# Altium PCB Audio_Blade_Mic_Array.PcbDoc (part 3 of 4)
Units mil, origin at the board's own origin, x right, y up, seen from the top; angles counter-clockwise.
Board outline 3740.16 x 3740.16 mil, 6 copper layers (Top Layer, Layer 2, Layer 3, Layer 4, Layer 5, Bottom Layer), stack 63.312 mil thick; 192 components, 134 nets, 726 pads, 1409 vias.
Unrouted connection lines stored in the file: 35.
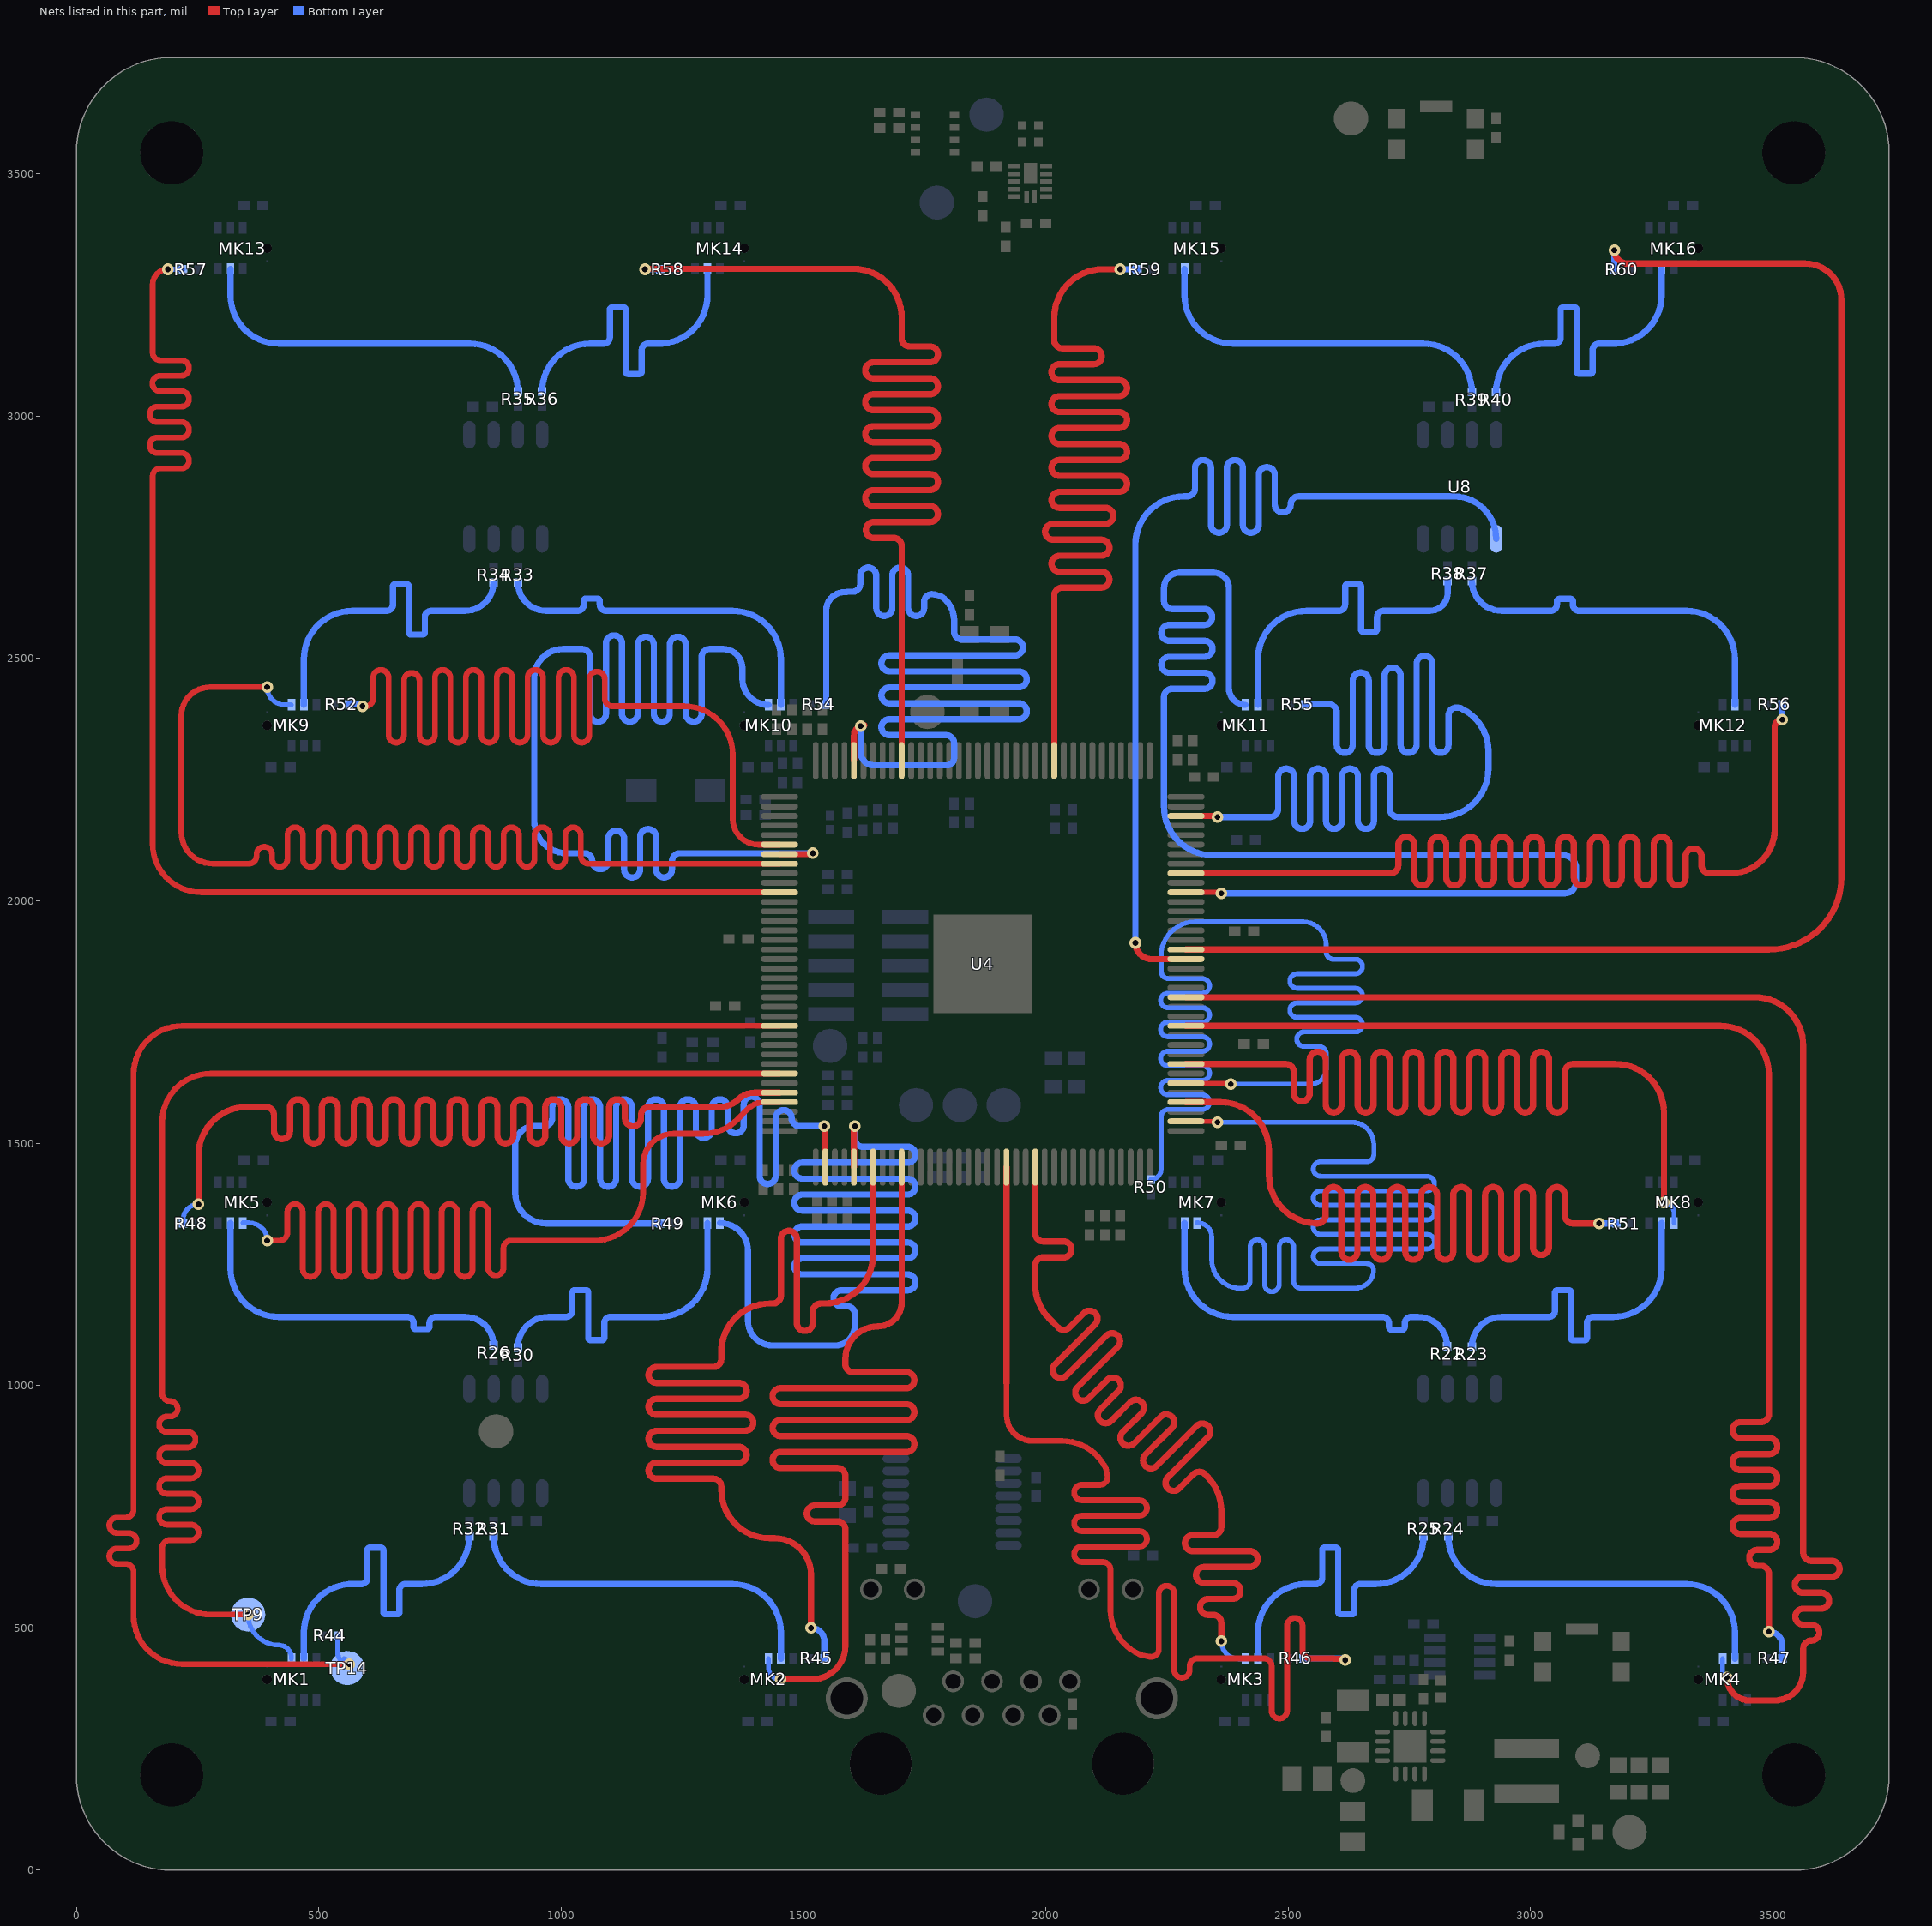
[diagram p7: the nets of this part, all layers, seen from the top]

## Via types
v1: diameter 24, hole 12, Top Layer to Bottom Layer, tented both sides, 1405 vias
v2: diameter 23.62, hole 15.75, Top Layer to Bottom Layer, tented both sides, 3 vias
v3: diameter 24, hole 12, Top Layer to Bottom Layer, 1 vias

## Nets (pads, with @x,y where several pads share a name; then routed paths per layer and width w, separated by ;. In a path a pad name is that pad's centre, name@x,y a point inside that pad or via, vN(x,y) a via of type N, cw(c..) or ccw(c..) an arc to the next point about the centre after c; other vN are vias at no path point) (continued)
MIC_CLK_4: U4.91 U8.1 | length 2483.9
  Top Layer w12.92: v1(2185.04,1913.39) ccw(c2218.5,1913.39) 2218.5,1879.92 U4.91@2289.37,1879.92
  Bottom Layer w12.92: v1(2185.04,1913.39) 2185.04,2734.65 cw(c2285.04,2734.65) 2285.04,2834.65 2291.5,2834.65 ccw(c2291.5,2851.11) 2307.96,2851.11 2307.96,2893.18 cw(c2324.42,2893.18) 2340.88,2893.18 2340.88,2776.11 ccw(c2357.34,2776.11) 2373.81,2776.11 2373.81,2893.18 cw(c2390.27,2893.18) 2406.73,2893.18 2406.73,2776.11 ccw(c2423.19,2776.11) 2439.65,2776.11 2439.65,2878.63 cw(c2456.11,2878.63) 2472.57,2878.63 2472.57,2818.18 ccw(c2489.03,2818.18) 2505.49,2818.18 cw(c2521.95,2818.18) 2521.95,2834.65 2551.84,2834.65 2841.73,2834.65 cw(c2841.73,2747.05) U8.1@2929.33,2747.05
MIC_SCK_1: MK1.6 R32.1 | length 764.6
  Bottom Layer w12.92: MK1.6@469.49,436.02 469.49,490.55 cw(c569.49,490.55) 562.99,590.34 cw(c569.49,490.55) 569.49,590.55 581.29,590.55 587.75,590.55 ccw(c587.75,603.47) 600.67,603.47 600.67,660.61 cw(c605.61,660.61) 605.61,665.55 628.66,665.55 cw(c628.66,660.61) 633.6,660.61 633.6,532.98 ccw(c638.53,532.98) 638.53,528.04 661.58,528.04 ccw(c661.58,532.98) 666.52,532.98 666.52,577.63 cw(c679.44,577.63) 679.44,590.55 712.4,590.55 ccw(c712.4,688.98) R32.1@810.83,688.98
MIC_SCK_2: MK2.6 R31.1 | length 760.7
  Bottom Layer w12.92: R31.1@860.83,688.98 ccw(c959.25,688.98) 959.25,590.55 1353.74,590.55 cw(c1353.74,490.55) 1453.74,490.55 MK2.6@1453.74,436.02
MIC_SCK_3: MK3.6 R25.1 | length 764.6
  Bottom Layer w12.92: MK3.6@2437.99,436.02 2437.99,490.55 cw(c2537.99,490.55) 2507.87,585.91 cw(c2537.99,490.55) 2531.5,590.34 cw(c2537.99,490.55) 2537.99,590.55 2551.18,590.55 2557.64,590.55 ccw(c2557.64,603.47) 2570.56,603.47 2570.56,660.61 cw(c2575.5,660.61) 2575.5,665.55 2598.55,665.55 cw(c2598.55,660.61) 2603.49,660.61 2603.49,533.07 ccw(c2608.42,533.07) 2608.42,528.14 2631.47,528.14 ccw(c2631.47,533.07) 2636.41,533.07 2636.41,577.63 cw(c2649.33,577.63) 2649.33,590.55 2681.1,590.55 ccw(c2681.1,688.98) R25.1@2779.53,688.98
MIC_SCK_4: MK4.6 R24.1 | length 759.3
  Bottom Layer w12.92: R24.1@2830.71,688.98 ccw(c2929.13,688.98) 2929.13,590.55 3322.24,590.55 cw(c3322.24,490.55) 3422.24,490.55 MK4.6@3422.24,436.02
MIC_SCK_5: MK5.6 R26.1 | length 763
  Bottom Layer w12.92: MK5.6@317.91,1335.63 317.91,1241.73 ccw(c417.91,1241.73) 417.91,1141.73 641.73,1141.73 682.8,1141.73 cw(c682.8,1128.81) 695.73,1128.81 695.73,1121.28 ccw(c700.66,1121.28) 700.66,1116.35 723.71,1116.35 ccw(c723.71,1121.28) 728.65,1121.28 728.65,1128.81 cw(c741.57,1128.81) 741.57,1141.73 748.03,1141.73 801.77,1141.73 cw(c801.77,1082.68) R26.1@860.83,1082.68
MIC_SCK_6: MK6.6 R30.1 | length 764.6
  Bottom Layer w12.92: R30.1@910.83,1078.74 cw(c973.82,1078.74) 973.82,1141.73 1003.94,1141.73 1010.4,1141.73 ccw(c1010.4,1154.65) 1023.32,1154.65 1023.32,1191.79 cw(c1028.26,1191.79) 1028.26,1196.73 1051.3,1196.73 cw(c1051.3,1191.79) 1056.24,1191.79 1056.24,1098.73 ccw(c1061.18,1098.73) 1061.18,1093.79 1084.23,1093.79 ccw(c1084.23,1098.73) 1089.16,1098.73 1089.16,1128.81 cw(c1102.09,1128.81) 1102.09,1141.73 1137.8,1141.73 1202.17,1141.73 ccw(c1202.17,1241.73) 1302.17,1241.73 MK6.6@1302.17,1335.63
MIC_SCK_7: MK7.6 R22.1 | length 764.1
  Bottom Layer w12.92: MK7.6@2286.42,1335.63 2286.42,1241.73 ccw(c2386.42,1241.73) 2386.42,1141.73 2650.24,1141.73 2695.25,1141.73 cw(c2695.25,1128.81) 2708.17,1128.81 2708.17,1122.37 ccw(c2716.4,1122.37) 2716.4,1114.14 2732.86,1114.14 ccw(c2732.86,1122.37) 2741.09,1122.37 2741.09,1128.81 cw(c2754.01,1128.81) 2754.01,1141.73 2760.47,1141.73 2767.72,1141.73 cw(c2767.72,1081.4) R22.1@2828.05,1081.4
MIC_SCK_8: MK8.6 R23.1 | length 764.6
  Bottom Layer w12.92: R23.1@2879.33,1080.12 cw(c2940.94,1080.12) 2940.94,1141.73 3031.5,1141.73 3037.96,1141.73 ccw(c3037.96,1154.65) 3050.88,1154.65 3050.88,1191.79 cw(c3055.82,1191.79) 3055.82,1196.73 3078.86,1196.73 cw(c3078.86,1191.79) 3083.8,1191.79 3083.8,1098.34 ccw(c3088.74,1098.34) 3088.74,1093.4 3111.79,1093.4 ccw(c3111.79,1098.34) 3116.72,1098.34 3116.72,1128.81 cw(c3129.65,1128.81) 3129.65,1141.73 3170.67,1141.73 ccw(c3170.67,1241.73) 3270.67,1241.73 MK8.6@3270.67,1335.63
MIC_SCK_9: MK9.6 R34.1 | length 764.6
  Bottom Layer w12.92: MK9.6@469.49,2404.53 469.49,2498.43 cw(c569.49,2498.43) 569.49,2598.43 633.86,2598.43 640.32,2598.43 ccw(c640.32,2611.35) 653.24,2611.35 653.24,2648.49 cw(c658.18,2648.49) 658.18,2653.43 681.23,2653.43 cw(c681.23,2648.49) 686.16,2648.49 686.16,2554.3 ccw(c691.1,2554.3) 691.1,2549.36 714.15,2549.36 ccw(c714.15,2554.3) 719.09,2554.3 719.09,2585.5 cw(c732.01,2585.5) 732.01,2598.43 767.72,2598.43 801.77,2598.43 ccw(c801.77,2657.48) R34.1@860.83,2657.48
MIC_SCK_10: MK10.6 R33.1 | length 763
  Bottom Layer w12.92: R33.1@910.83,2657.48 ccw(c969.88,2657.48) 969.88,2598.43 1027.56,2598.43 1034.02,2598.43 ccw(c1034.02,2611.35) 1046.94,2611.35 1046.94,2618.87 cw(c1051.88,2618.87) 1051.88,2623.81 1074.93,2623.81 cw(c1074.93,2618.87) 1079.86,2618.87 1079.86,2611.35 ccw(c1092.79,2611.35) 1092.79,2598.43 1137.8,2598.43 1353.74,2598.43 cw(c1353.74,2498.43) 1453.74,2498.43 MK10.6@1453.74,2404.53
MIC_SCK_11: MK11.6 R38.1 | length 764.6
  Bottom Layer w12.92: MK11.6@2437.99,2404.53 2437.99,2498.43 cw(c2537.99,2498.43) 2537.99,2598.43 2598.43,2598.43 2604.89,2598.43 ccw(c2604.89,2611.35) 2617.81,2611.35 2617.81,2648.49 cw(c2622.75,2648.49) 2622.75,2653.43 2645.79,2653.43 cw(c2645.79,2648.49) 2650.73,2648.49 2650.73,2560.28 ccw(c2655.67,2560.28) 2655.67,2555.34 2678.71,2555.34 ccw(c2678.71,2560.28) 2683.65,2560.28 2683.65,2585.5 cw(c2696.57,2585.5) 2696.57,2598.43 2724.41,2598.43 2792.18,2598.43 ccw(c2792.18,2635.58) 2829.33,2635.58 R38.1@2829.33,2660.04
MIC_SCK_12: MK12.6 R37.1 | length 763
  Bottom Layer w12.92: R37.1@2879.33,2660.04 ccw(c2940.94,2660.04) 2940.94,2598.43 3035.43,2598.43 3041.89,2598.43 ccw(c3041.89,2611.35) 3054.82,2611.35 3054.82,2618.14 cw(c3059.75,2618.14) 3059.75,2623.08 3082.8,2623.08 cw(c3082.8,2618.14) 3087.74,2618.14 3087.74,2611.35 ccw(c3100.66,2611.35) 3100.66,2598.43 3153.54,2598.43 3322.24,2598.43 cw(c3322.24,2498.43) 3422.24,2498.43 MK12.6@3422.24,2404.53
MIC_SCK_13: MK13.6 R35.1 | length 760.7
  Bottom Layer w12.92: MK13.6@317.91,3304.13 317.91,3249.61 ccw(c417.91,3249.61) 417.91,3149.61 812.4,3149.61 cw(c812.4,3051.18) R35.1@910.83,3051.18
MIC_SCK_14: MK14.6 R36.1 | length 764.6
  Bottom Layer w12.92: R36.1@960.83,3051.18 cw(c1059.25,3051.18) 1059.25,3149.61 1081.26,3149.61 1087.72,3149.61 ccw(c1087.72,3162.53) 1100.65,3162.53 1100.65,3219.67 cw(c1105.58,3219.67) 1105.58,3224.61 1128.63,3224.61 cw(c1128.63,3219.67) 1133.57,3219.67 1133.57,3092.03 ccw(c1138.51,3092.03) 1138.51,3087.09 1161.55,3087.09 ccw(c1161.55,3092.03) 1166.49,3092.03 1166.49,3136.68 cw(c1179.41,3136.68) 1179.41,3149.61 1202.17,3149.61 ccw(c1202.17,3249.61) 1208.66,3149.82 ccw(c1202.17,3249.61) 1302.17,3249.61 MK14.6@1302.17,3304.13
MIC_SCK_15: MK15.6 R39.1 | length 761.5
  Bottom Layer w12.92: MK15.6@2286.42,3304.13 2286.42,3249.61 ccw(c2386.42,3249.61) 2386.42,3149.61 2779.53,3149.61 cw(c2779.53,3049.8) R39.1@2879.33,3049.8
MIC_SCK_16: MK16.6 R40.1 | length 764.6
  Bottom Layer w12.92: R40.1@2929.13,3049.8 cw(c3028.94,3049.8) 3028.94,3149.61 3043.31,3149.61 3049.77,3149.61 ccw(c3049.77,3162.53) 3062.69,3162.53 3062.69,3219.67 cw(c3067.63,3219.67) 3067.63,3224.61 3090.67,3224.61 cw(c3090.67,3219.67) 3095.61,3219.67 3095.61,3092.52 ccw(c3100.55,3092.52) 3100.55,3087.59 3123.6,3087.59 ccw(c3123.6,3092.52) 3128.53,3092.52 3128.53,3136.68 cw(c3141.46,3136.68) 3141.46,3149.61 3170.67,3149.61 ccw(c3170.67,3249.61) 3177.17,3149.82 ccw(c3170.67,3249.61) 3270.67,3249.61 MK16.6@3270.67,3304.13
MIC_SD_1: R44.1 TP14.1 U4.25 | length 3256.1
  Top Layer w11.85: v1(562.99,425.2) 218.11,425.2 cw(c218.11,525.2) 118.11,525.2 118.11,610.24 118.11,616.16 ccw(c102.18,616.16) 102.18,632.09 84.04,632.09 cw(c84.04,648.02) 84.04,663.94 108.47,663.94 ccw(c108.47,679.87) 108.47,695.8 84.04,695.8 cw(c84.04,711.73) 84.04,727.65 102.18,727.65 ccw(c102.18,743.58) 118.11,743.58 118.11,818.9 118.11,1642.13 cw(c218.11,1642.13) 218.11,1742.13 U4.25@1450.79,1742.13
  Bottom Layer w10: R44.1@539.37,484.25 539.37,448.82 ccw(c562.99,448.82) v1(562.99,425.2) ccw(c552.17,425.2) TP14.1@552.17,436.02
MIC_SD_2: R45.1 U4.43 | length 3167
  Top Layer w12.92: v1(1515.75,500) 1515.75,610.24 ccw(c1440.94,610.24) 1440.94,685.04 1430.71,685.04 cw(c1430.71,785.04) 1330.71,785.04 1330.71,791.5 ccw(c1314.25,791.5) 1314.25,807.96 1197.17,807.96 cw(c1197.17,824.42) 1197.17,840.88 1366.78,840.88 ccw(c1366.78,857.34) 1366.78,873.81 1197.17,873.81 cw(c1197.17,890.27) 1197.17,906.73 1380.39,906.73 ccw(c1380.39,923.19) 1380.39,939.65 1197.17,939.65 cw(c1197.17,956.11) 1197.17,972.57 1366.78,972.57 ccw(c1366.78,989.03) 1366.78,1005.49 1197.17,1005.49 cw(c1197.17,1021.95) 1197.17,1038.42 1314.25,1038.42 ccw(c1314.25,1054.88) 1330.71,1054.88 1330.71,1069.29 1330.75,1072.28 cw(c1430.71,1069.29) 1331.16,1078.74 cw(c1430.71,1069.29) 1430.71,1169.29 1437.17,1169.29 ccw(c1437.17,1185.75) 1453.63,1185.75 1453.63,1302.83 cw(c1470.09,1302.83) 1486.55,1302.83 1486.55,1129.09 ccw(c1503.01,1129.09) 1519.48,1129.09 1519.48,1152.83 cw(c1535.94,1152.83) 1535.94,1169.29 1543.7,1169.29 1552.59,1169.69 ccw(c1543.7,1269.29) 1559.06,1170.48 ccw(c1543.7,1269.29) 1643.7,1269.29 U4.43@1643.7,1450.79
  Bottom Layer w12.92: v1(1515.75,500) cw(c1515.75,472.44) 1543.31,472.44 R45.1@1543.31,437.01
MIC_SD_3: R46.1 U4.57 | length 3063.8
  Top Layer w11.85: 1919.29,1005.51 1919.29,938.98 ccw(c1972.44,938.98) 1972.44,885.83 2033.86,885.83 cw(c2033.86,785.83) 2121.13,834.65 cw(c2033.86,785.83) 2124.19,828.72 2127.35,814.73 cw(c2111.81,811.22) 2111.81,795.3 2074.79,795.3 ccw(c2074.79,779.37) 2074.79,763.44 2192.93,763.44 cw(c2192.93,747.52) 2192.93,731.59 2074.79,731.59 ccw(c2074.79,715.66) 2074.79,699.74 2192.93,699.74 cw(c2192.93,683.81) 2192.93,667.88 2074.79,667.88 ccw(c2074.79,651.95) 2074.79,636.03 2117.93,636.03 cw(c2117.93,620.1) 2133.86,620.1 2133.86,614.17 2133.86,537.01 ccw(c2233.86,537.01) 2192.91,445.77 ccw(c2233.86,537.01) 2198.84,443.34 2214.57,440.49 ccw(c2217.41,456.17) 2233.34,456.17 2233.34,571.08 cw(c2249.26,571.08) 2265.19,571.08 2265.19,412.91 ccw(c2281.12,412.91) 2297.04,412.91 2297.04,421.08 cw(c2312.97,421.08) 2312.97,437.01 2318.9,437.01 2412.48,437.01 2450.26,437.01 cw(c2450.26,421.08) 2466.19,421.08 2466.19,328.77 ccw(c2482.11,328.77) 2498.04,328.77 2498.04,504.6 cw(c2513.97,504.6) 2529.89,504.6 2529.89,452.93 ccw(c2545.82,452.93) 2545.82,437.01 2594.49,437.01 2595.48,436.02 2615.79,436.02 v1(2618.11,433.69)
  Top Layer w12.92: 1919.29,1005.51 U4.57@1919.29,1450.79
  Bottom Layer w11.85: R46.1@2531.5,437.01 2614.8,437.01 v1(2618.11,433.69)
MIC_SD_4: R47.1 U4.84 | length 3159.1
  Top Layer w12.92: U4.84@2289.37,1742.13 3392.13,1742.13 cw(c3392.13,1642.13) 3492.13,1642.13 3492.13,980.32 3492.13,940.93 cw(c3475.66,940.93) 3475.66,924.47 3433.59,924.47 ccw(c3433.59,908.01) 3433.59,891.55 3493.05,891.55 cw(c3493.05,875.09) 3493.05,858.63 3433.59,858.63 ccw(c3433.59,842.17) 3433.59,825.7 3493.05,825.7 cw(c3493.05,809.24) 3493.05,792.78 3433.59,792.78 ccw(c3433.59,776.32) 3433.59,759.86 3493.05,759.86 cw(c3493.05,743.4) 3493.05,726.94 3433.59,726.94 ccw(c3433.59,710.48) 3433.59,694.02 3492.83,694.02 cw(c3492.83,677.56) 3492.83,661.09 3468.04,661.09 ccw(c3468.04,644.63) 3468.04,628.17 3475.66,628.17 cw(c3475.66,611.71) 3492.13,611.71 3492.13,562.99 v1(3492.13,492.13)
  Bottom Layer w12.92: v1(3492.13,492.13) cw(c3492.13,464.57) 3519.69,464.57 R47.1@3519.69,437.01
MIC_SD_5: R48.1 U4.32 | length 3138.1
  Top Layer w12.92: v1(251.97,1374.02) 251.97,1474.8 cw(c351.97,1474.8) 351.97,1574.8 391.35,1574.8 cw(c391.35,1558.34) 407.81,1558.34 407.81,1525.13 ccw(c424.27,1525.13) 440.73,1525.13 440.73,1573.93 cw(c457.2,1573.93) 473.66,1573.93 473.66,1516.26 ccw(c490.12,1516.26) 506.58,1516.26 506.58,1573.93 cw(c523.04,1573.93) 539.5,1573.93 539.5,1516.26 ccw(c555.96,1516.26) 572.42,1516.26 572.42,1573.93 cw(c588.88,1573.93) 605.35,1573.93 605.35,1516.26 ccw(c621.81,1516.26) 638.27,1516.26 638.27,1573.93 cw(c654.73,1573.93) 671.19,1573.93 671.19,1516.26 ccw(c687.65,1516.26) 704.11,1516.26 704.11,1573.93 cw(c720.57,1573.93) 737.03,1573.93 737.03,1516.26 ccw(c753.49,1516.26) 769.95,1516.26 769.95,1573.93 cw(c786.42,1573.93) 802.88,1573.93 802.88,1516.26 ccw(c819.34,1516.26) 835.8,1516.26 835.8,1573.93 cw(c852.26,1573.93) 868.72,1573.93 868.72,1516.26 ccw(c885.18,1516.26) 901.64,1516.26 901.64,1573.93 cw(c918.1,1573.93) 934.57,1573.93 934.57,1516.26 ccw(c951.03,1516.26) 967.49,1516.26 967.49,1573.93 cw(c983.95,1573.93) 1000.41,1573.93 1000.41,1516.26 ccw(c1016.87,1516.26) 1033.33,1516.26 1033.33,1573.93 cw(c1049.79,1573.93) 1066.25,1573.93 1066.25,1516.26 ccw(c1082.71,1516.26) 1099.17,1516.26 ; 1099.18,1516.26 1099.18,1573.93 cw(c1115.64,1573.93) 1132.1,1573.93 1132.1,1551.25 ccw(c1148.56,1551.25) 1165.02,1551.25 1165.02,1558.34 cw(c1181.48,1558.34) 1181.48,1574.8 1224.41,1574.8 1328.12,1574.8 ccw(c1328.12,1628.57) 1366.14,1590.55 cw(c1399.41,1557.28) 1399.41,1604.33 U4.32@1450.79,1604.33
  Bottom Layer w10: R48.1@220.47,1334.65 220.47,1342.52 cw(c251.97,1342.52) v1(251.97,1374.02)
MIC_SD_6: R49.1 U4.38 | length 3117.1
  Top Layer w12.92: v1(1543.31,1535.43) cw(c1543.31,1533.46) 1545.28,1533.46 U4.38@1545.28,1450.79
  Bottom Layer w12.92: R49.1@1204.72,1334.65 968.5,1334.65 cw(c968.5,1397.64) 905.51,1397.64 905.51,1496.06 cw(c944.88,1496.06) 944.88,1535.43 959.01,1535.43 965.47,1535.43 ccw(c965.47,1551.89) 981.93,1551.89 981.93,1573.93 cw(c998.39,1573.93) 1014.85,1573.93 1014.85,1426.89 ccw(c1031.31,1426.89) 1047.77,1426.89 1047.77,1573.93 cw(c1064.23,1573.93) 1080.69,1573.93 1080.69,1426.89 ccw(c1097.16,1426.89) 1113.62,1426.89 1113.62,1573.93 cw(c1130.08,1573.93) 1146.54,1573.93 1146.54,1426.89 ccw(c1163,1426.89) 1179.46,1426.89 1179.46,1573.93 cw(c1195.92,1573.93) 1212.38,1573.93 1212.38,1426.89 ccw(c1228.84,1426.89) 1245.3,1426.89 1245.3,1573.93 cw(c1261.77,1573.93) 1278.23,1573.93 1278.23,1527.56 ccw(c1294.69,1527.56) 1311.15,1527.56 1311.15,1573.93 cw(c1327.61,1573.93) 1344.07,1573.93 1344.07,1536.99 ccw(c1360.53,1536.99) 1376.99,1536.99 1376.99,1579.34 cw(c1393.45,1579.34) 1409.91,1579.34 1409.91,1432.41 ccw(c1426.38,1432.41) 1442.84,1432.41 1442.84,1551.9 cw(c1459.3,1551.9) 1475.76,1551.9 ccw(c1492.22,1551.89) 1492.22,1535.43 1527.56,1535.43 v1(1543.31,1535.43)
MIC_SD_7: R50.1 U4.78 | length 3107.3
  Top Layer w10: U4.78@2289.37,1624.02 2379.92,1624.02 cw(c2379.92,1622.05) v1(2381.89,1622.05)
  Bottom Layer w10: R50.1@2216.54,1425.2 ccw(c2216.54,1446.85) 2238.19,1446.85 2238.19,1519.68 2238.19,1554.69 cw(c2253.19,1554.69) 2253.19,1569.69 2323.19,1569.69 ccw(c2323.19,1584.69) 2323.19,1599.69 2252.06,1599.69 cw(c2252.06,1614.69) 2252.06,1629.69 2323.19,1629.69 ccw(c2323.19,1644.69) 2323.19,1659.69 2252.06,1659.69 cw(c2252.06,1674.69) 2252.06,1689.69 2323.19,1689.69 ccw(c2323.19,1704.69) 2323.19,1719.69 2252.06,1719.69 cw(c2252.06,1734.69) 2252.06,1749.69 2323.19,1749.69 ccw(c2323.19,1764.69) 2323.19,1779.69 2252.06,1779.69 cw(c2252.06,1794.69) 2252.06,1809.69 2323.19,1809.69 ccw(c2323.19,1824.69) 2323.19,1839.69 2253.19,1839.69 cw(c2253.19,1854.69) 2238.19,1854.69 2238.19,1879.92 2238.19,1886.91 cw(c2307.97,1886.91) 2307.97,1956.69 2531.5,1956.69 cw(c2531.5,1909.45) 2578.74,1909.45 2578.74,1899.61 2578.74,1894.61 ccw(c2593.74,1894.61) 2593.74,1879.61 2638.74,1879.61 cw(c2638.74,1864.61) 2638.74,1849.61 2518.74,1849.61 ccw(c2518.74,1834.61) 2518.74,1819.61 2638.74,1819.61 cw(c2638.74,1804.61) 2638.74,1789.61 2518.74,1789.61 ccw(c2518.74,1774.61) 2518.74,1759.61 2638.74,1759.61 cw(c2638.74,1744.61) 2638.74,1729.61 2533.07,1729.61 ccw(c2533.07,1714.61) 2533.07,1699.61 2563.74,1699.61 cw(c2563.74,1684.61) 2578.74,1684.61 2578.74,1653.54 cw(c2547.24,1653.54) 2547.24,1622.05 v1(2381.89,1622.05)
MIC_SD_8: R51.1 U4.76 | length 3056.4
  Top Layer w12.92: U4.76@2289.37,1584.65 2360.63,1584.65 cw(c2360.63,1484.65) 2460.63,1484.65 2460.63,1434.65 ccw(c2560.63,1434.65) 2554.43,1334.84 ccw(c2560.63,1434.65) 2560.63,1334.65 2560.89,1334.65 ccw(c2560.89,1351.11) 2577.35,1351.11 2577.35,1393.18 cw(c2593.82,1393.18) 2610.28,1393.18 2610.28,1276.11 ccw(c2626.74,1276.11) 2643.2,1276.11 2643.2,1393.18 cw(c2659.66,1393.18) 2676.12,1393.18 2676.12,1276.11 ccw(c2692.58,1276.11) 2709.04,1276.11 2709.04,1393.18 cw(c2725.5,1393.18) 2741.96,1393.18 2741.96,1276.11 ccw(c2758.43,1276.11) 2774.89,1276.11 2774.89,1393.18 cw(c2791.35,1393.18) 2807.81,1393.18 2807.81,1276.11 ccw(c2824.27,1276.11) 2840.73,1276.11 2840.73,1393.18 cw(c2857.19,1393.18) 2873.65,1393.18 2873.65,1276.11 ccw(c2890.11,1276.11) 2906.57,1276.11 2906.57,1393.18 cw(c2923.04,1393.18) 2939.5,1393.18 2939.5,1276.11 ccw(c2955.96,1276.11) 2972.42,1276.11 2972.42,1393.18 cw(c2988.88,1393.18) 3005.34,1393.18 3005.34,1285.84 ccw(c3021.8,1285.84) 3038.26,1285.84 3038.26,1393.18 cw(c3054.72,1393.18) 3071.18,1393.18 3071.18,1351.11 ccw(c3087.65,1351.11) 3087.65,1334.65 3118.11,1334.65 v1(3141.73,1334.65)
  Bottom Layer w12.92: v1(3141.73,1334.65) R51.1@3177.17,1334.65
MIC_SD_9: R52.1 U4.6 | length 3121.9
  Top Layer w11.85: v1(590.55,2401.57) 596.48,2401.57 ccw(c596.48,2417.5) 612.41,2417.5 612.41,2460.65 cw(c628.33,2460.65) 644.26,2460.65 644.26,2342.5 ccw(c660.19,2342.5) 676.11,2342.5 676.11,2454.55 cw(c692.04,2454.55) 707.97,2454.55 707.97,2342.5 ccw(c723.89,2342.5) 739.82,2342.5 739.82,2460.65 cw(c755.75,2460.65) 771.68,2460.65 771.68,2342.5 ccw(c787.6,2342.5) 803.53,2342.5 803.53,2460.65 cw(c819.46,2460.65) 835.38,2460.65 835.38,2342.5 ccw(c851.31,2342.5) 867.24,2342.5 867.24,2460.65 cw(c883.16,2460.65) 899.09,2460.65 899.09,2342.5 ccw(c915.02,2342.5) 930.95,2342.5 930.95,2460.65 cw(c946.87,2460.65) 962.8,2460.65 962.8,2342.5 ccw(c978.73,2342.5) 994.65,2342.5 994.65,2460.65 cw(c1010.58,2460.65) 1026.51,2460.65 1026.51,2342.5 ccw(c1042.43,2342.5) 1058.36,2342.5 1058.36,2457.19 cw(c1074.29,2457.19) 1090.22,2457.19 1090.22,2417.5 ccw(c1106.14,2417.5) 1106.14,2401.57 1173.23,2401.57 1254.33,2401.57 cw(c1254.33,2301.57) 1354.33,2301.57 1354.33,2169.29 ccw(c1407.48,2169.29) 1407.48,2116.14 U4.6@1450.79,2116.14
  Bottom Layer w11.85: v1@586.61,2405.51 cw(c586.61,2401.57) v1(590.55,2401.57)
  Bottom Layer w12.92: R52.1@562.99,2405.51 v1@586.61,2405.51
MIC_SD_10: R54.1 U4.140 | length 3169.8
  Top Layer w12.92: U4.140@1604.33,2289.37 1604.33,2340.55 cw(c1625.98,2340.55) 1625.98,2362.2 1624.5,2360.72 v1(1618.11,2360.72)
  Bottom Layer w12.92: R54.1@1547.24,2405.51 1547.24,2599.57 cw(c1584.65,2599.57) 1555.75,2623.31 cw(c1584.65,2599.57) 1584.65,2636.97 cw(c1594.49,2578.74) 1594.49,2637.8 1600.95,2637.8 ccw(c1600.95,2654.26) 1617.41,2654.26 1617.41,2671.33 cw(c1633.87,2671.33) 1650.33,2671.33 1650.33,2604.26 ccw(c1666.79,2604.26) 1683.25,2604.26 1683.25,2671.33 cw(c1699.72,2671.33) 1716.18,2671.33 1716.18,2604.26 ccw(c1732.64,2604.26) 1749.1,2604.26 1749.1,2616.45 cw(c1765.56,2616.45) 1770.35,2632.2 1784.88,2627.78 cw(c1751.97,2578.74) 1791.34,2622.76 cw(c1751.97,2578.74) 1811.02,2578.74 1811.02,2555.81 ccw(c1827.48,2555.81) 1827.48,2539.35 1936.65,2539.35 cw(c1936.65,2522.89) 1936.65,2506.43 1677.48,2506.43 ccw(c1677.48,2489.97) 1677.48,2473.51 1944.56,2473.51 cw(c1944.56,2457.05) 1944.56,2440.59 1677.48,2440.59 ccw(c1677.48,2424.13) 1677.48,2407.66 1944.56,2407.66 cw(c1944.56,2391.2) 1944.56,2374.74 1677.48,2374.74 ccw(c1677.48,2358.28) 1677.48,2341.82 1794.56,2341.82 cw(c1794.56,2325.36) 1811.02,2325.36 1811.02,2318.9 1811.02,2295.28 cw(c1795.28,2295.28) 1795.28,2279.53 1645.67,2279.53 cw(c1645.67,2307.09) 1618.11,2307.09 v1(1618.11,2360.72)
MIC_SD_11: R55.1 U4.106 | length 3146.3
  Top Layer w10: v1@2352.36,2175.2 cw(c2352.36,2173.23) v1(2354.33,2173.23)
  Top Layer w12.92: U4.106@2289.37,2175.2 v1@2352.36,2175.2
  Bottom Layer w12.92: v1(2354.33,2173.23) 2456.69,2173.23 2463.15,2173.23 ccw(c2463.15,2189.69) 2479.62,2189.69 2479.62,2256.46 cw(c2496.08,2256.46) 2512.54,2256.46 2512.54,2164.99 ccw(c2529,2164.99) 2545.46,2164.99 2545.46,2256.46 cw(c2561.92,2256.46) 2578.38,2256.46 2578.38,2164.99 ccw(c2594.84,2164.99) 2611.3,2164.99 2611.3,2256.46 cw(c2627.76,2256.46) 2644.23,2256.46 2644.23,2164.99 ccw(c2660.69,2164.99) 2677.15,2164.99 2677.15,2256.46 cw(c2693.61,2256.46) 2710.07,2256.46 2710.07,2189.69 ccw(c2726.53,2189.69) 2726.53,2173.23 2773.35,2173.23 2813.39,2173.23 ccw(c2813.39,2273.23) 2913.39,2273.23 2913.39,2309.45 ccw(c2817.32,2309.45) 2862.2,2394.38 ccw(c2817.32,2309.45) 2855.74,2397.49 2850.88,2398.51 ccw(c2847.51,2382.4) 2831.05,2382.4 2831.05,2321.97 cw(c2814.59,2321.97) 2798.13,2321.97 2798.13,2489.05 ccw(c2781.67,2489.05) 2765.21,2489.05 2765.21,2321.97 cw(c2748.75,2321.97) 2732.29,2321.97 2732.29,2464.72 ccw(c2715.82,2464.72) 2699.36,2464.72 2699.36,2321.97 cw(c2682.9,2321.97) 2666.44,2321.97 2666.44,2454.91 ccw(c2649.98,2454.91) 2633.52,2454.91 2633.52,2321.97 cw(c2617.06,2321.97) 2600.6,2321.97 2600.6,2389.05 ccw(c2584.14,2389.05) 2584.14,2405.51 2559.06,2405.51 R55.1@2535.43,2405.51
MIC_SD_12: R56.1 U4.100 | length 3157.7
  Top Layer w12.92: U4.100@2289.37,2057.09 2704.72,2057.09 2711.19,2057.09 ccw(c2711.19,2073.55) 2727.65,2073.55 2727.65,2115.63 cw(c2744.11,2115.63) 2760.57,2115.63 2760.57,2048.29 ccw(c2777.03,2048.29) 2793.49,2048.29 2793.49,2115.63 cw(c2809.95,2115.63) 2826.41,2115.63 2826.41,2048.29 ccw(c2842.87,2048.29) 2859.33,2048.29 2859.33,2115.63 cw(c2875.8,2115.63) 2892.26,2115.63 2892.26,2048.29 ccw(c2908.72,2048.29) 2925.18,2048.29 2925.18,2115.63 cw(c2941.64,2115.63) 2958.1,2115.63 2958.1,2048.29 ccw(c2974.56,2048.29) 2991.02,2048.29 2991.02,2115.63 cw(c3007.48,2115.63) 3023.94,2115.63 3023.94,2048.29 ccw(c3040.41,2048.29) 3056.87,2048.29 3056.87,2115.63 cw(c3073.33,2115.63) 3089.79,2115.63 3089.79,2048.29 ccw(c3106.25,2048.29) 3122.71,2048.29 3122.71,2115.63 cw(c3139.17,2115.63) 3155.63,2115.63 3155.63,2048.29 ccw(c3172.09,2048.29) 3188.55,2048.29 3188.55,2115.63 cw(c3205.02,2115.63) 3221.48,2115.63 3221.48,2048.29 ccw(c3237.94,2048.29) 3254.4,2048.29 3254.4,2115.63 cw(c3270.86,2115.63) 3287.32,2115.63 3287.32,2048.29 ccw(c3303.78,2048.29) 3320.24,2048.29 3320.24,2091.81 cw(c3336.7,2091.81) 3353.16,2091.81 3353.16,2073.55 ccw(c3369.63,2073.55) 3369.63,2057.09 3413.78,2057.09 ccw(c3413.78,2147.24) 3503.94,2147.24 3503.94,2358.27 cw(c3519.69,2358.27) v1(3519.69,2374.02)
  Bottom Layer w12.92: v1(3519.69,2374.02) R56.1@3519.69,2405.51
MIC_SD_13: R57.1 U4.11 | length 3102
  Top Layer w11.85: v1(188.98,3303.15) ccw(c188.98,3271.65) 157.48,3271.65 157.48,3228.35 157.48,3161.42 157.48,3131.2 ccw(c173.41,3131.2) 173.41,3115.27 216.55,3115.27 cw(c216.55,3099.34) 216.55,3083.42 172.92,3083.42 ccw(c172.92,3067.49) 172.92,3051.56 216.55,3051.56 cw(c216.55,3035.63) 216.55,3019.71 167.13,3019.71 ccw(c167.13,3003.78) 167.13,2987.85 216.55,2987.85 cw(c216.55,2971.93) 216.55,2956 167.13,2956 ccw(c167.13,2940.07) 167.13,2924.15 216.55,2924.15 cw(c216.55,2908.22) 216.55,2892.29 173.41,2892.29 ccw(c173.41,2876.36) 157.48,2876.36 157.48,2838.58 157.48,2117.72 ccw(c257.48,2117.72) 257.48,2017.72 U4.11@1450.79,2017.72
  Bottom Layer w10: v1(188.98,3303.15) R57.1@220.47,3303.15
MIC_SD_14: R58.1 U4.135 | length 3147.6
  Top Layer w12.92: v1(1173.23,3303.15) cw(c1174.21,3303.15) 1174.21,3304.13 1602.76,3304.13 cw(c1602.76,3204.13) 1702.76,3204.13 1702.76,3166.94 1702.76,3160.48 ccw(c1719.22,3160.48) 1719.22,3144.02 1761.29,3144.02 cw(c1761.29,3127.56) 1761.29,3111.1 1644.22,3111.1 ccw(c1644.22,3094.64) 1644.22,3078.18 1761.29,3078.18 cw(c1761.29,3061.72) 1761.29,3045.25 1644.22,3045.25 ccw(c1644.22,3028.79) 1644.22,3012.33 1761.29,3012.33 cw(c1761.29,2995.87) 1761.29,2979.41 1644.22,2979.41 ccw(c1644.22,2962.95) 1644.22,2946.49 1761.29,2946.49 cw(c1761.29,2930.03) 1761.29,2913.57 1644.22,2913.57 ccw(c1644.22,2897.11) 1644.22,2880.64 1761.29,2880.64 cw(c1761.29,2864.18) 1761.29,2847.72 1644.22,2847.72 ccw(c1644.22,2831.26) 1644.22,2814.8 1761.29,2814.8 cw(c1761.29,2798.34) 1761.29,2781.88 1645.29,2781.88 ccw(c1645.29,2765.42) 1645.29,2748.96 1686.29,2748.96 cw(c1686.29,2732.5) 1702.76,2732.5 1702.76,2704.72 U4.135@1702.76,2289.37
  Bottom Layer w12.92: v1(1173.23,3303.15) R58.1@1204.72,3303.15
MIC_SD_15: R59.1 U4.119 | length 3115.8
  Top Layer w12.92: U4.119@2017.72,2289.37 2017.72,2590.55 2017.72,2629.93 cw(c2034.18,2629.93) 2034.18,2646.4 2115.1,2646.4 ccw(c2115.1,2662.86) 2115.1,2679.32 2028.6,2679.32 cw(c2028.6,2695.78) 2028.6,2712.24 2115.1,2712.24 ccw(c2115.1,2728.7) 2115.1,2745.16 2015.43,2745.16 cw(c2015.43,2761.62) 2015.43,2778.08 2123.27,2778.08 ccw(c2123.27,2794.54) 2123.27,2811.01 2028.6,2811.01 cw(c2028.6,2827.47) 2028.6,2843.93 2151.26,2843.93 ccw(c2151.26,2860.39) 2151.26,2876.85 2028.6,2876.85 cw(c2028.6,2893.31) 2028.6,2909.77 2151.26,2909.77 ccw(c2151.26,2926.23) 2151.26,2942.69 2028.6,2942.69 cw(c2028.6,2959.15) 2028.6,2975.62 2151.26,2975.62 ccw(c2151.26,2992.08) 2151.26,3008.54 2028.6,3008.54 cw(c2028.6,3025) 2028.6,3041.46 2151.26,3041.46 ccw(c2151.26,3057.92) 2151.26,3074.38 2028.6,3074.38 cw(c2028.6,3090.84) 2028.6,3107.3 2099.26,3107.3 ccw(c2099.26,3123.76) 2099.26,3140.23 2034.18,3140.23 cw(c2034.18,3156.69) 2017.72,3156.69 2017.72,3196.85 2017.72,3203.15 cw(c2117.72,3203.15) 2117.72,3303.15 v1(2153.54,3303.15)
  Bottom Layer w12.92: v1(2153.54,3303.15) R59.1@2188.98,3303.15
MIC_SD_16: R60.1 U4.92 | length 3195.2
  Top Layer w12.92: U4.92@2289.37,1899.61 3492.55,1899.61 ccw(c3492.55,2048.79) 3641.73,2048.79 3641.73,3240.16 ccw(c3566.93,3240.16) 3566.93,3314.96 3200.79,3314.96 cw(c3200.79,3342.52) v1(3173.23,3342.52)
  Bottom Layer w12.92: R60.1@3173.23,3303.15 v1(3173.23,3342.52)
MIC_WS_1: MK1.5 TP9.1 U4.30 | length 3188.1
  Top Layer w11.85: v1(354.33,527.56) 277.17,527.56 cw(c277.17,627.56) 177.17,627.56 177.17,665.34 cw(c193.09,665.34) 193.09,681.27 236.24,681.27 ccw(c236.24,697.19) 236.24,713.12 186.81,713.12 cw(c186.81,729.05) 186.81,744.98 236.24,744.98 ccw(c236.24,760.9) 236.24,776.83 186.81,776.83 cw(c186.81,792.76) 186.81,808.68 236.24,808.68 ccw(c236.24,824.61) 236.24,840.54 186.81,840.54 cw(c186.81,856.46) 186.81,872.39 229.79,872.39 ccw(c229.79,888.32) 229.79,904.25 186.81,904.25 cw(c186.81,920.17) 186.81,936.1 193.09,936.1 ccw(c193.09,952.03) 193.09,967.95 cw(c193.09,983.88) 177.17,983.88 177.17,1015.75 177.17,1543.7 cw(c277.17,1543.7) 277.17,1643.7 U4.30@1450.79,1643.7
  Bottom Layer w10: v1(354.33,527.56) ccw(c417.32,527.56) 417.32,464.57 cw(c417.32,437.99) 443.9,437.99 MK1.5@443.9,436.02
MIC_WS_2: MK2.5 U4.46 | length 3071
  Top Layer w12.92: v1(1452.76,393.7) 1516.92,393.7 ccw(c1516.92,463.4) 1586.61,463.4 1586.61,696.85 1586.61,703.31 ccw(c1570.15,703.31) 1570.15,719.77 1523.58,719.77 cw(c1523.58,736.23) 1523.58,752.69 1570.15,752.69 ccw(c1570.15,769.16) 1586.61,769.16 1586.61,795.28 1586.61,807.09 1586.61,813.55 ccw(c1570.15,813.55) 1570.15,830.01 1453.08,830.01 cw(c1453.08,846.47) 1453.08,862.93 1712.73,862.93 ccw(c1712.73,879.39) 1712.73,895.85 1453.08,895.85 cw(c1453.08,912.31) 1453.08,928.78 1712.73,928.78 ccw(c1712.73,945.24) 1712.73,961.7 1453.08,961.7 cw(c1453.08,978.16) 1453.08,994.62 1712.73,994.62 ccw(c1712.73,1011.08) 1712.73,1027.54 1603.08,1027.54 cw(c1603.08,1044) 1586.61,1044 1586.61,1055.12 1587.26,1064.41 cw(c1653.54,1055.12) 1588.49,1070.87 cw(c1653.54,1055.12) 1653.54,1122.05 ccw(c1653.54,1171.26) 1702.76,1171.26 U4.46@1702.76,1450.79
  Bottom Layer w10: MK2.5@1428.15,436.02 1428.15,418.31 ccw(c1452.76,418.31) v1(1452.76,393.7)
MIC_WS_3: MK3.5 U4.60 | length 3094.1
  Top Layer w12.92: U4.60@1978.35,1450.79 1978.35,1377.95 1978.35,1313.97 ccw(c1994.81,1313.97) 1994.81,1297.51 2036.89,1297.51 cw(c2036.89,1281.05) 2036.89,1264.59 1994.81,1264.59 ccw(c1994.81,1248.13) 1978.35,1248.13 1978.35,1208.74 ccw(c2078.35,1208.74) 2007.64,1138.03 2025.71,1119.95 ccw(c2037.35,1131.59) 2048.99,1119.95 2078.75,1149.71 cw(c2090.39,1138.07) 2102.03,1126.43 2019.24,1043.64 ccw(c2030.88,1032) 2042.52,1020.36 2125.31,1103.15 cw(c2136.95,1091.51) 2148.59,1103.15 cw(c2136.95,1091.51) 2148.59,1079.87 2065.8,997.08 ccw(c2077.44,985.44) 2089.08,973.8 2126.99,1011.71 cw(c2138.63,1000.07) 2150.27,988.43 2112.36,950.52 ccw(c2124,938.89) 2112.36,927.25 ccw(c2124,938.89) 2135.64,927.25 2174.44,966.05 cw(c2186.08,954.41) 2197.72,942.77 2158.92,903.97 ccw(c2170.56,892.33) 2182.2,880.69 2237.09,935.58 cw(c2248.73,923.94) 2260.37,912.3 2205.48,857.41 ccw(c2217.12,845.77) 2205.48,834.13 ccw(c2217.11,845.77) 2228.75,834.13 2311.54,916.91 cw(c2323.18,905.27) 2334.82,893.64 2252.03,810.85 ccw(c2263.67,799.21) 2275.31,787.57 2305.07,817.32 cw(c2316.71,805.68) 2328.35,817.32 2332.92,812.75 cw(c2262.2,742.04) 2362.2,742.04 2362.2,707.93 cw(c2345.74,707.93) 2345.74,691.47 2303.67,691.47 ccw(c2303.67,675.01) 2303.67,658.55 2420.74,658.55 cw(c2420.74,642.09) 2420.74,625.63 2326.44,625.63 ccw(c2326.44,609.16) 2326.44,592.7 2385.5,592.7 cw(c2385.5,576.24) 2385.5,559.78 2334.96,559.78 ccw(c2334.96,543.32) 2334.96,526.86 2345.74,526.86 cw(c2345.74,510.4) 2362.2,510.4 2362.2,503.94 v1(2362.2,472.44)
  Bottom Layer w10: v1(2362.2,472.44) ccw(c2398.62,472.44) 2398.62,436.02 MK3.5@2412.4,436.02
MIC_WS_4: MK4.5 U4.87 | length 3189.5
  Top Layer w12.92: U4.87@2289.37,1801.18 3462.99,1801.18 cw(c3462.99,1701.18) 3562.99,1701.18 3562.99,661.42 3562.99,654.96 ccw(c3579.45,654.96) 3579.45,638.49 3621.53,638.49 cw(c3621.53,622.03) 3621.53,605.57 3562.07,605.57 ccw(c3562.07,589.11) 3562.07,572.65 3599.87,572.65 cw(c3599.87,556.19) 3599.87,539.73 3562.99,539.73 ccw(c3562.99,523.27) 3562.99,506.81 3579.45,506.81 cw(c3579.45,490.35) 3579.45,473.88 ccw(c3579.45,457.42) 3562.99,457.42 3562.99,409.45 cw(c3503.94,409.45) 3503.94,350.39 3452.76,350.39 cw(c3452.76,397.64) v1(3405.51,397.64)
  Bottom Layer w10: MK4.5@3396.65,436.02 3396.65,406.5 ccw(c3405.51,406.5) v1(3405.51,397.64)
MIC_WS_5: MK5.5 U4.33 | length 3188.1
  Top Layer w11.85: v1(393.7,1299.21) 413.39,1299.21 419.31,1299.21 ccw(c419.31,1315.14) 435.24,1315.14 435.24,1358.29 cw(c451.17,1358.29) 467.09,1358.29 467.09,1240.14 ccw(c483.02,1240.14) 498.95,1240.14 498.95,1358.29 cw(c514.88,1358.29) 530.8,1358.29 530.8,1240.14 ccw(c546.73,1240.14) 562.66,1240.14 562.66,1358.29 cw(c578.58,1358.29) 594.51,1358.29 594.51,1240.14 ccw(c610.44,1240.14) 626.36,1240.14 626.36,1358.29 cw(c642.29,1358.29) 658.22,1358.29 658.22,1240.14 ccw(c674.15,1240.14) 690.07,1240.14 690.07,1358.29 cw(c706,1358.29) 721.93,1358.29 721.93,1240.14 ccw(c737.85,1240.14) 753.78,1240.14 753.78,1358.29 cw(c769.71,1358.29) 785.63,1358.29 785.63,1240.14 ccw(c801.56,1240.14) 817.49,1240.14 817.49,1358.29 cw(c833.42,1358.29) 849.34,1358.29 849.34,1243.12 ccw(c865.27,1243.12) 881.2,1243.12 881.2,1283.29 cw(c897.12,1283.29) 897.12,1299.21 925.2,1299.21 1069.29,1299.21 ccw(c1069.29,1399.21) 1169.29,1399.21 1169.29,1456.69 cw(c1232.28,1456.69) 1232.28,1519.68 1293.22,1519.68 ccw(c1293.22,1619.68) 1363.93,1548.97 1385.83,1570.87 cw(c1419.09,1537.6) 1388.44,1573.29 1388.76,1573.53 ccw(c1338.3,1642.01) 1391.84,1575.91 cw(c1399.3,1566.7) 1392.65,1576.51 cw(c1419.09,1537.6) 1419.09,1584.65 U4.33@1450.79,1584.65
  Bottom Layer w10: MK5.5@343.5,1335.63 357.28,1335.63 cw(c357.28,1299.21) v1(393.7,1299.21)
MIC_WS_6: MK6.5 U4.41 | length 3188.4
  Top Layer w12.92: U4.41@1604.33,1450.79 1604.33,1533.46 cw(c1606.3,1533.46) v1(1606.3,1535.43)
  Bottom Layer w12.92: MK6.5@1327.76,1335.63 cw(c1327.76,1277.56) 1385.83,1277.56 1385.83,1133.86 ccw(c1437.01,1133.86) 1437.01,1082.68 1564.95,1082.68 ccw(c1564.95,1124.03) 1606.25,1122.05 ccw(c1564.95,1124.03) 1606.3,1124.03 1606.3,1147.14 ccw(c1589.84,1147.14) 1589.84,1163.61 1578.53,1163.61 cw(c1578.53,1180.07) 1578.53,1196.53 1714.84,1196.53 ccw(c1714.84,1212.99) 1714.84,1229.45 1497.76,1229.45 cw(c1497.76,1245.91) 1497.76,1262.37 1714.84,1262.37 ccw(c1714.84,1278.83) 1714.84,1295.29 1497.76,1295.29 cw(c1497.76,1311.75) 1497.76,1328.22 1714.84,1328.22 ccw(c1714.84,1344.68) 1714.84,1361.14 1497.76,1361.14 cw(c1497.76,1377.6) 1497.76,1394.06 1714.84,1394.06 ccw(c1714.84,1410.52) 1714.84,1426.98 1497.76,1426.98 cw(c1497.76,1443.44) 1497.76,1459.9 1714.84,1459.9 ccw(c1714.84,1476.36) 1714.84,1492.83 1622.76,1492.83 cw(c1622.76,1509.29) 1606.3,1509.29 1606.3,1515.75 v1(1606.3,1535.43)
MIC_WS_7: MK7.5 U4.74 | length 3166
  Top Layer w10: U4.74@2289.37,1545.28 2352.36,1545.28 cw(c2352.36,1543.31) v1(2354.33,1543.31)
  Bottom Layer w10: MK7.5@2312.01,1335.63 2313.98,1335.63 cw(c2313.98,1307.09) 2342.52,1307.09 2342.52,1259.84 ccw(c2401.57,1259.84) 2401.57,1200.79 2406.58,1200.79 ccw(c2406.58,1215.79) 2421.58,1215.79 2421.58,1285.79 cw(c2436.58,1285.79) 2451.58,1285.79 2451.58,1208.75 ccw(c2466.58,1208.75) 2481.58,1208.75 2481.58,1285.79 cw(c2496.58,1285.79) 2511.58,1285.79 2511.58,1215.79 ccw(c2526.58,1215.79) 2526.58,1200.79 2555.12,1200.79 2637.8,1200.79 ccw(c2637.8,1240.16) 2673.88,1224.41 ccw(c2637.8,1240.16) 2675.67,1229.41 2676.43,1234.84 ccw(c2661.57,1236.91) 2661.57,1251.91 2567.17,1251.91 cw(c2567.17,1266.91) 2567.17,1281.91 2787.17,1281.91 ccw(c2787.17,1296.91) 2787.17,1311.91 2567.17,1311.91 cw(c2567.17,1326.91) 2567.17,1341.91 2787.17,1341.91 ccw(c2787.17,1356.91) 2787.17,1371.91 2567.17,1371.91 cw(c2567.17,1386.91) 2567.17,1401.91 2787.17,1401.91 ccw(c2787.17,1416.91) 2787.17,1431.91 2567.17,1431.91 cw(c2567.17,1446.91) 2567.17,1461.91 2662.17,1461.91 ccw(c2662.17,1476.91) 2677.17,1476.91 2677.17,1497 ccw(c2630.85,1497) 2630.85,1543.31 v1(2354.33,1543.31)
MIC_WS_8: MK8.5 U4.80 | length 3186.6
  Top Layer w12.92: U4.80@2289.37,1663.39 2444.88,1663.39 2495.43,1663.39 cw(c2495.43,1646.92) 2511.89,1646.92 2511.89,1602.89 ccw(c2528.35,1602.89) 2544.81,1602.89 2544.81,1672.19 cw(c2561.27,1672.19) 2577.74,1672.19 2577.74,1579.85 ccw(c2594.2,1579.85) 2610.66,1579.85 2610.66,1672.19 cw(c2627.12,1672.19) 2643.58,1672.19 2643.58,1579.85 ccw(c2660.04,1579.85) 2676.5,1579.85 2676.5,1672.19 cw(c2692.96,1672.19) 2709.42,1672.19 2709.42,1579.85 ccw(c2725.88,1579.85) 2742.35,1579.85 2742.35,1672.19 cw(c2758.81,1672.19) 2775.27,1672.19 2775.27,1579.85 ccw(c2791.73,1579.85) 2808.19,1579.85 2808.19,1672.19 cw(c2824.65,1672.19) 2841.11,1672.19 2841.11,1579.85 ccw(c2857.57,1579.85) 2874.03,1579.85 2874.03,1672.19 cw(c2890.49,1672.19) 2906.96,1672.19 2906.96,1579.85 ccw(c2923.42,1579.85) 2939.88,1579.85 2939.88,1672.19 cw(c2956.34,1672.19) 2972.8,1672.19 2972.8,1579.85 ccw(c2989.26,1579.85) 3005.72,1579.85 3005.72,1672.19 cw(c3022.18,1672.19) 3038.64,1672.19 3038.64,1579.85 ccw(c3055.1,1579.85) 3071.57,1579.85 3071.57,1646.92 cw(c3088.03,1646.92) 3088.03,1663.39 3094.49,1663.39 3175.59,1663.39 cw(c3175.59,1563.39) 3275.59,1563.39 3275.59,1514.4 3275.59,1477.73 3275.59,1474.62 v1(3275.59,1377.95)
  Bottom Layer w10: v1(3275.59,1377.95) cw(c3275.59,1357.28) 3296.26,1357.28 MK8.5@3296.26,1335.63
MIC_WS_9: MK9.5 U4.8 | length 3188.1
  Top Layer w11.85: v1(393.7,2440.94) 275.59,2440.94 ccw(c275.59,2381.89) 216.54,2381.89 216.54,2141.73 ccw(c281.5,2141.73) 281.5,2076.77 314.96,2076.77 355.92,2076.77 ccw(c355.92,2092.7) 371.85,2092.7 371.85,2095.79 cw(c387.77,2095.79) 403.7,2095.79 403.7,2086.42 ccw(c419.63,2086.42) 435.55,2086.42 435.55,2135.84 cw(c451.48,2135.84) 467.41,2135.84 467.41,2086.42 ccw(c483.33,2086.42) 499.26,2086.42 499.26,2135.84 cw(c515.19,2135.84) 531.12,2135.84 531.12,2086.42 ccw(c547.04,2086.42) 562.97,2086.42 562.97,2135.84 cw(c578.9,2135.84) 594.82,2135.84 594.82,2086.42 ccw(c610.75,2086.42) 626.68,2086.42 626.68,2135.84 cw(c642.6,2135.84) 658.53,2135.84 658.53,2086.42 ccw(c674.46,2086.42) 690.39,2086.42 690.39,2135.84 cw(c706.31,2135.84) 722.24,2135.84 722.24,2086.42 ccw(c738.17,2086.42) 754.09,2086.42 754.09,2135.84 cw(c770.02,2135.84) 785.95,2135.84 785.95,2086.42 ccw(c801.87,2086.42) 817.8,2086.42 817.8,2135.84 cw(c833.73,2135.84) 849.66,2135.84 849.66,2086.42 ccw(c865.58,2086.42) 881.51,2086.42 881.51,2135.84 cw(c897.44,2135.84) 913.36,2135.84 913.36,2086.42 ccw(c929.29,2086.42) 945.22,2086.42 945.22,2135.84 cw(c961.14,2135.84) 977.07,2135.84 977.07,2086.42 ccw(c993,2086.42) 1008.93,2086.42 1008.93,2135.84 cw(c1024.85,2135.84) 1040.78,2135.84 1040.78,2092.7 ccw(c1056.71,2092.7) 1056.71,2076.77 1094.49,2076.77 U4.8@1450.79,2076.77
  Bottom Layer w10: v1(393.7,2440.94) ccw(c430.12,2440.94) 430.12,2404.53 MK9.5@443.9,2404.53
MIC_WS_10: MK10.5 U4.7 | length 3188.1
  Top Layer w12.92: U4.7@1450.79,2096.46 1517.72,2096.46 v1(1519.68,2098.43)
  Bottom Layer w12.92: MK10.5@1428.15,2404.53 cw(c1428.15,2458.66) 1374.02,2458.66 1374.02,2480.32 ccw(c1334.65,2480.32) 1334.65,2519.68 1306.7,2519.68 ccw(c1306.7,2503.22) 1290.24,2503.22 1290.24,2386.15 cw(c1273.77,2386.15) 1257.31,2386.15 1257.31,2528.48 ccw(c1240.85,2528.48) 1224.39,2528.48 1224.39,2386.15 cw(c1207.93,2386.15) 1191.47,2386.15 1191.47,2528.48 ccw(c1175.01,2528.48) 1158.55,2528.48 1158.55,2386.15 cw(c1142.09,2386.15) 1125.63,2386.15 1125.63,2531.28 ccw(c1109.16,2531.28) 1092.7,2531.28 1092.7,2386.15 cw(c1076.24,2386.15) 1059.78,2386.15 1059.78,2503.22 ccw(c1043.32,2503.22) 1043.32,2519.68 1003.94,2519.68 ccw(c1003.94,2460.63) 944.88,2460.63 944.88,2165.35 ccw(c1011.81,2165.35) 1011.81,2098.43 1047.97,2098.43 cw(c1047.97,2081.96) 1064.44,2081.96 ccw(c1080.9,2081.96) 1097.36,2081.96 1097.36,2128.43 cw(c1113.82,2128.43) 1130.28,2128.43 1130.28,2064.89 ccw(c1146.74,2064.89) 1163.2,2064.89 1163.2,2131.96 cw(c1179.66,2131.96) 1196.12,2131.96 1196.12,2064.89 ccw(c1212.59,2064.89) 1229.05,2064.89 1229.05,2081.96 cw(c1245.51,2081.96) 1245.51,2098.43 1251.97,2098.43 v1(1519.68,2098.43)
MIC_WS_11: MK11.5 U4.98 | length 3188.4
  Top Layer w10: U4.98@2289.37,2017.72 2360.24,2017.72 cw(c2360.24,2015.75) v1(2362.2,2015.75)
  Bottom Layer w12.92: v1(2362.2,2015.75) 3070.87,2015.75 ccw(c3070.87,2039.37) 3094.49,2039.37 3094.49,2066.93 ccw(c3066.93,2066.93) 3066.93,2094.49 2344.09,2094.49 cw(c2344.09,2194.49) 2244.09,2194.49 2244.09,2381.89 2244.09,2421.27 cw(c2260.56,2421.27) 2260.56,2437.73 2327.63,2437.73 ccw(c2327.63,2454.2) 2327.63,2470.66 2254.98,2470.66 cw(c2254.98,2487.12) 2254.98,2503.58 2327.63,2503.58 ccw(c2327.63,2520.04) 2327.63,2536.5 2254.98,2536.5 cw(c2254.98,2552.96) 2254.98,2569.42 2326.94,2569.42 ccw(c2326.94,2585.88) 2326.94,2602.34 2260.56,2602.34 cw(c2260.56,2618.81) 2244.09,2618.81 2244.09,2645.67 cw(c2275.59,2645.67) 2275.59,2677.17 2346.46,2677.17 cw(c2346.46,2645.67) 2377.95,2645.67 2377.95,2438.98 ccw(c2412.4,2438.98) MK11.5@2412.4,2404.53